# KiCad board panel.kicad_pcb (continued)
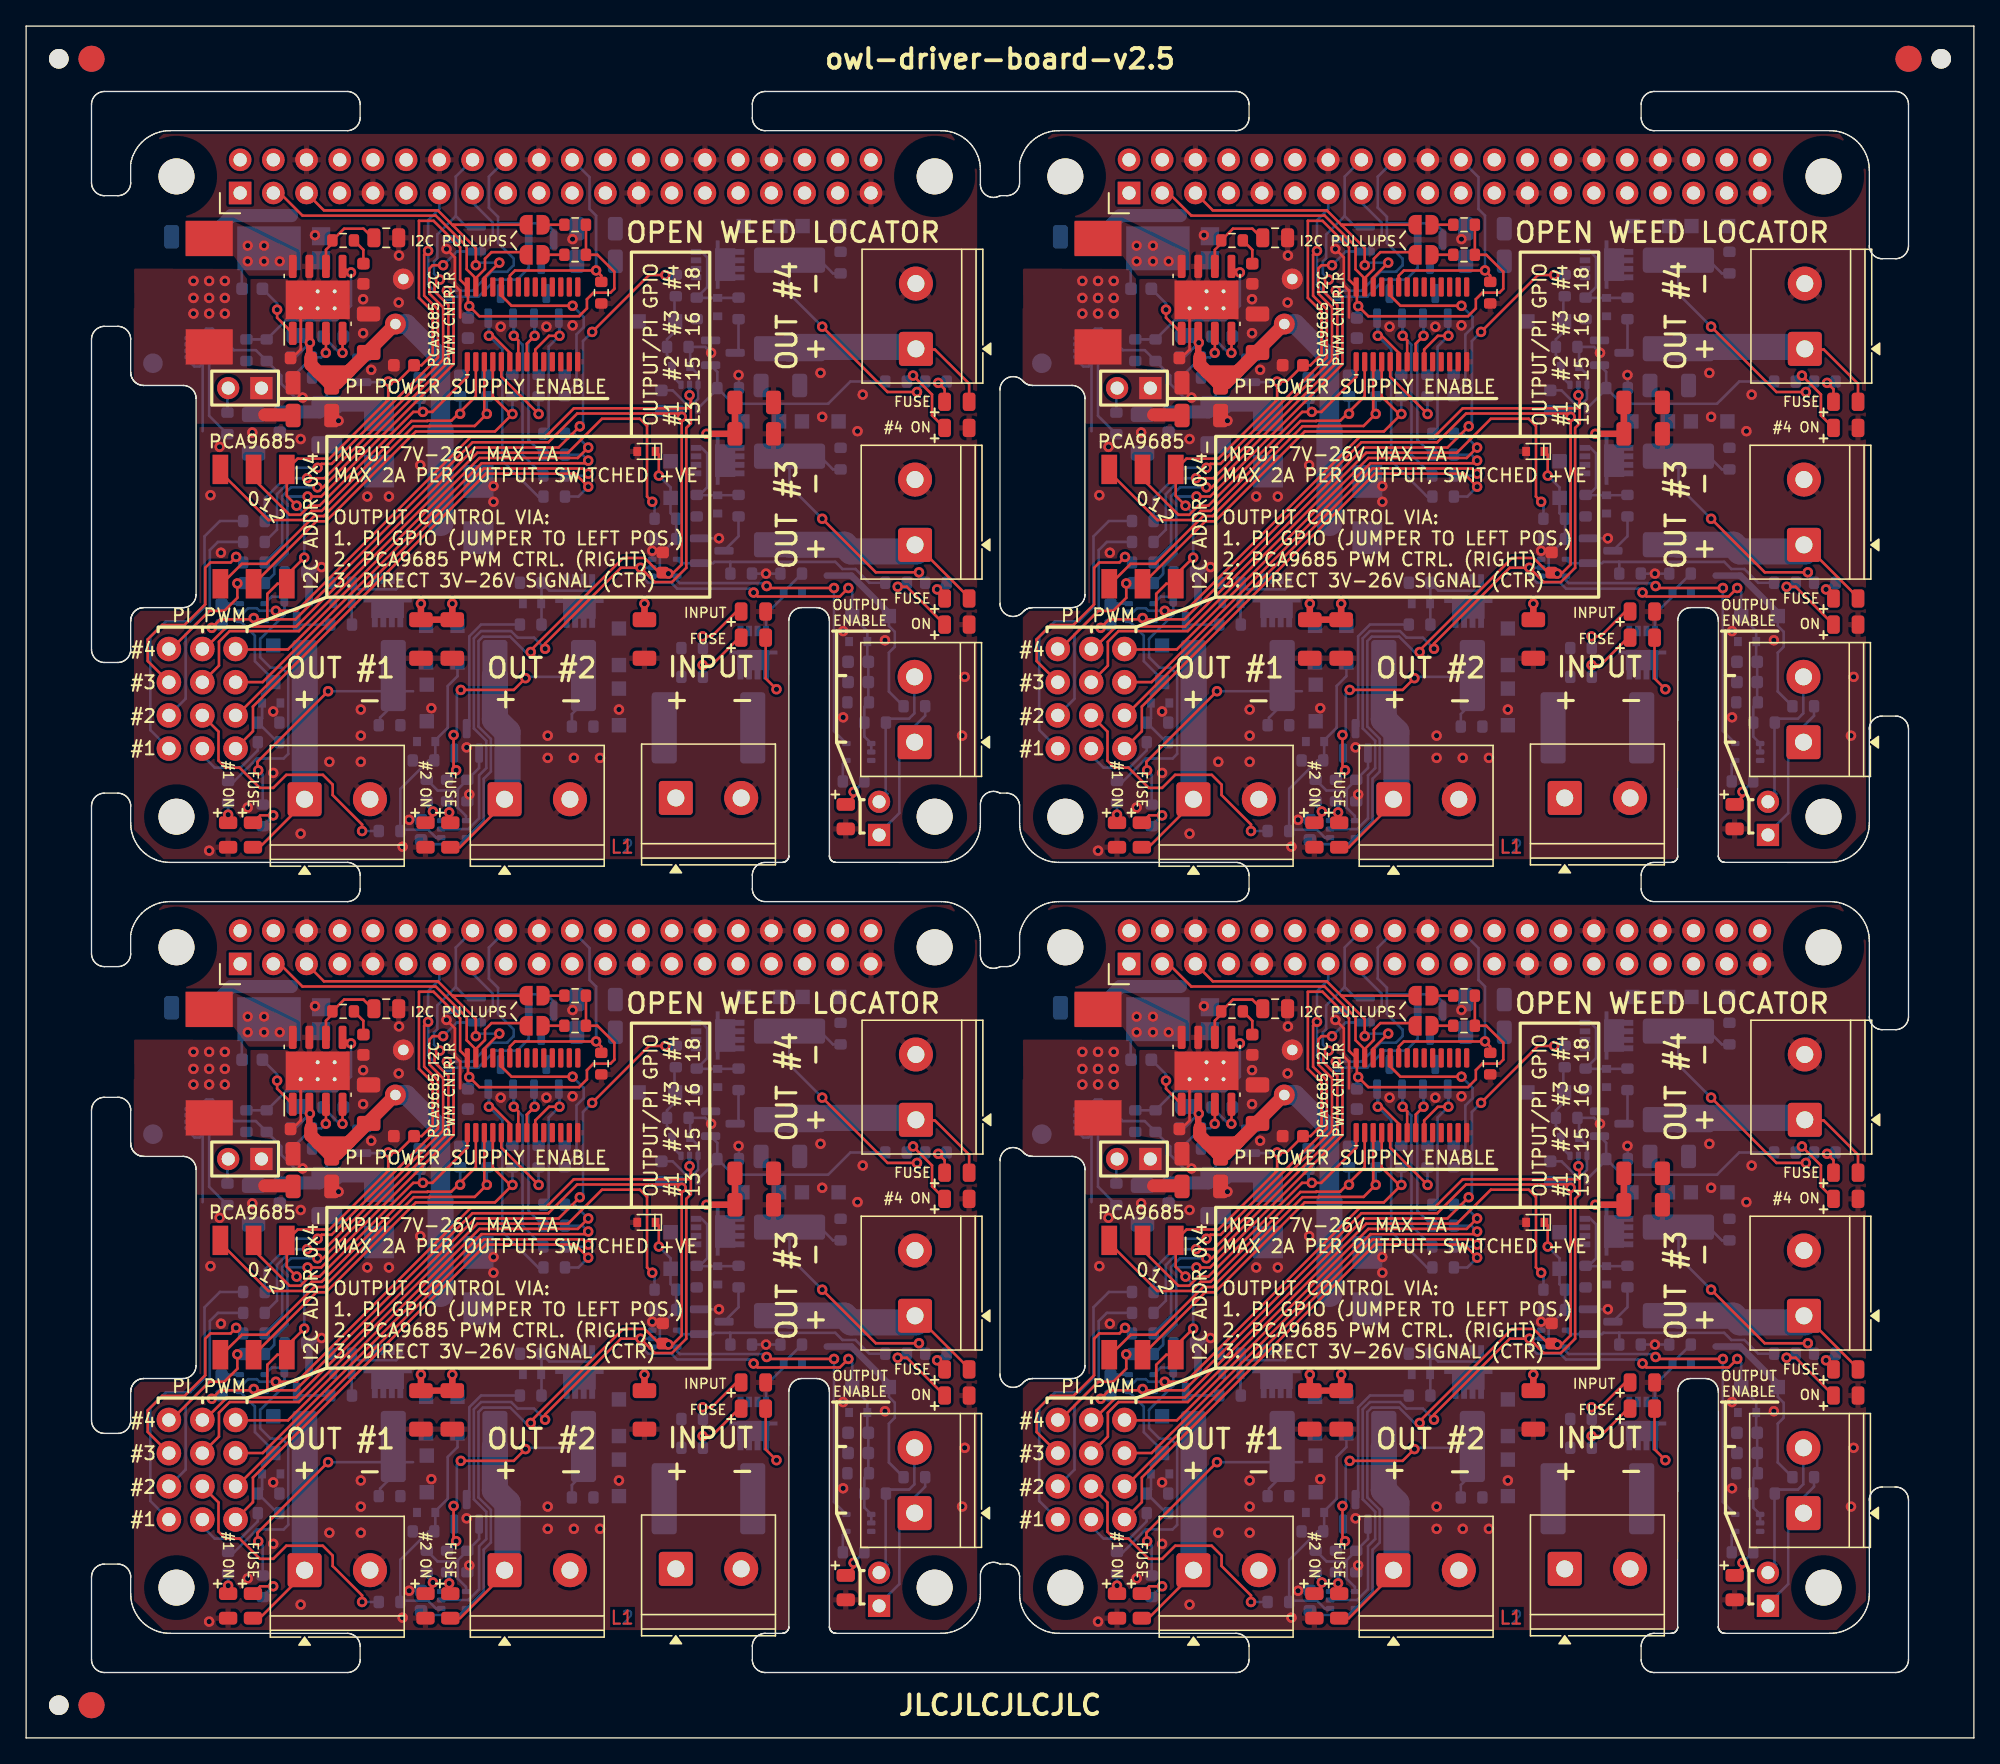
[diagram p0: board, top side]
## Routing (per net, layer and track width the routed paths; a pad name or vN(x,y) marks a point on that pad's centre or on a via; arc(x,y) is an arc through that point) (continued)
  Top w0.2: v1(69.77,44.7) 70.26,44.21 D20.2
Board_2-Net-(D25-A): length 18.9
  Bottom w0.2: D25#4.2 33,22.25 32.25,21.5 32.25,18.3 31.3,17.35 D44#3.1 31.3,15.88 31.22,15.8 ; 31.47,16.2 31.22,15.95 31.22,15.8 ; 31.22,15.8 30.8,15.8 28.62,13.63 R19.1 28.72,10.5 30.75,10.5 31.35,9.9 U4#4.1
Board_2-Net-(D26-A): length 7
  Bottom w0.2: 49.6,50.88 49.6,49.45 D26#4.2 49.65,48.65 49.03,48.03 R50#4.2 49.03,46.83 49.4,46.45 D42#4.1 49.4,45.25 U7.1
Board_2-Net-(D29-A): length 0.9
  Bottom w0.2: R58.1 v1(15.45,11.65)
Board_2-Net-(D30-A): length 5.6
  Top w0.2: v1(66.67,29.09) 67.37,29.09 D30#4.2
  Bottom w0.2: R56#4.1 67.07,29.09 v1(66.67,29.09)
Board_2-Net-(D31-A): length 2.1
  Top w0.2: D31#2.2 31.12,11.61 v1(31.12,11.89)
  Bottom w0.2: v1(31.12,11.89) 30.65,12.36 R57.1
Board_2-Net-(D37-A): length 6
  Top w0.2: 70.01,41 D37#4.2 69.3,42.21 69.3,43.81 v1(67.85,45.26)
  Bottom w0.2: v1(67.85,45.26) 67.84,45.26 R54#3.1
Board_2-Net-(D38-A): length 4.6
  Top w0.2: v1(51.75,25.3) 52.45,25.3 54.35,27.2 D38#3.2
  Bottom w0.2: 51.75,25.45 51.78,25.43 51.78,24.55
Board_2-Net-(D41-A): length 2.4
  Top w0.2: v1(63.3,13.4) 63.3,13.04 D41#3.2
  Bottom w0.2: v1(63.3,13.4) 64.1,14.2 R55.1
Board_2-Net-(J2-GP22): length 37.5
  Top w0.2: v1(31.9,53.7) 31.1,53.7 30.85,53.45 30.85,51.53 31.9,50.48 31.9,46.47 22.83,37.4 v1(21.5,37.4)
  Bottom w0.2: v1(31.9,53.7) 32.95,54.75 D35#4.2 35.7,56.01 35.7,56.95 34.15,58.5 ; v1(21.5,37.4) 20.4,37.4 19.19,36.19 19.19,33.46 R29#3.1
Board_2-Net-(J2-GP23): length 42
  Top w0.2: v1(31.65,52.6) 31.25,52.2 31.25,51.7 32.3,50.64 32.3,46.31 22.7,36.7 v1(22.28,36.7)
  Bottom w0.2: J2.16 32.87,60.49 32.87,57.47 ; v1(22.28,36.7) 20.27,36.7 19.59,36.02 19.59,32.29 R30#3.1 ; 32.87,57.47 33.69,56.65 D35#4.1 ; 32.87,57.47 31.45,56.05 31.45,54.24 31.2,53.99 31.2,53.05 v1(31.65,52.6)
Board_2-Net-(J2-GP24): length 50.5
  Top w0.2: v1(21.53,36) 22.57,36 32.7,46.13 32.7,51.24 v1(32.19,51.76)
  Bottom w0.2: D34#4.2 40.35,56.35 39.8,56.9 36.1,56.9 ; R31#3.1 18.97,30.08 18.97,30.61 19.99,31.62 19.99,35.86 20.13,36 v1(21.53,36) ; J2.18 35.4,60.48 35.4,58.1 36.1,57.4 36.1,56.9 ; 36.1,56.9 36.1,55.4 37.3,54.2 37.3,53.7 36.8,53.2 35.6,53.2 34.16,51.76 v1(32.19,51.76)
Board_2-Net-(J2-GP27): length 46.9
  Top w0.2: v1(30.75,54.8) 30.45,54.5 30.45,51.37 31.5,50.31 31.5,46.64 23.37,38.5 22.6,38.5 v1(22.3,38.2)
  Bottom w0.2: J2.13 31.61,58.01 30.75,57.15 v1(30.75,54.8) 30.75,52.21 31.9,51.06 32.48,51.06 32.72,51.3 34.6,51.3 35.9,52.6 37.57,52.6 38.45,53.49 D34#4.1 ; v1(22.3,38.2) 20.6,38.2 18.25,35.85 R38#2.1
Board_2-Net-(J10-Pin_1): length 11.3
  Bottom w0.2: J11#3.1 65.25,10.23 66.8,11.78 66.8,16.15 67.95,17.3 67.95,18.4 68.78,19.23 68.78,19.95
Board_2-Net-(J10-Pin_2): length 12.6
  Bottom w0.2: 65.78,18.7 65.8,18.7 ; 65.9,13.27 65.4,12.77 65.38,12.77 J11#3.2 65.25,12.77 65.75,13.27 65.75,18.68 66.07,19 67.54,19 67.95,19.41 67.95,22.3
Board_2-Net-(JP7-B): length 1.6
  Top w0.2: R39#3.1 JP7#3.2
Board_2-Net-(JP8-B): length 1.6
  Top w0.2: R40#3.1 JP8.2
Board_2-Net-(Q4-D): length 2.7
  Bottom w0.2: Q4.3 20.96,26.2 23.28,26.2
Board_2-Net-(Q4-G): length 23.4
  Bottom w0.2: 19.76,27.1 19.76,26.96 17.9,25.1 17.9,23.7 18.7,22.9 19.55,22.9 20.05,22.4 20.05,16.3 19.7,15.95 17.65,15.95 15.9,14.2 15.47,14.2 R58.2 ; 19.76,27.1 19.76,26.94 ; 19.76,27.1 19.76,28.33 Q4.1 18.79,28.34 U5#2.4 ; 19.78,30.2 19.78,28.36
Board_2-Net-(Q5-D): length 3.1
  Bottom w0.2: Q5#3.3 54.5,32.96 R7#3.1
Board_2-Net-(Q5-G): length 17.7
  Bottom w0.2: 53.85,31 61.9,31 62.45,30.45 63.45,30.45 64.5,29.4 65.72,29.4 ; 53.85,31 53.88,30.98 53.88,30.1 ; 53.85,31 52.65,31 52.55,30.9 Q5#3.1 50.1,30.9 U6#2.4
Board_2-Net-(Q8-D): length 11.4
  Bottom w0.2: Q8#2.3 33.9,18.44 33.9,25.3 34.8,26.2 37.78,26.2
Board_2-Net-(Q8-G): length 8.8
  Bottom w0.2: 33.03,13.5 31.47,13.5 R57.2 ; 33.03,13.5 33.03,12.18 33.65,11.55 U4#4.4 ; 33.03,13.5 33.03,13.6 R21#4.2 34.65,15.23 Q8#2.1
Board_2-Net-(Q9-D): length 2.7
  Bottom w0.2: Q9#2.3 54.5,47.26 R18#4.1
Board_2-Net-(Q9-G): length 18.3
  Bottom w0.2: R22#3.2 54.07,43.1 61.35,43.1 63.05,44.8 65.72,44.8 ; R22#3.2 52.88,44.23 51.4,42.75 U7.4 ; R22#3.2 52.88,45.54 Q9#2.1
Board_2-Net-(R55-Pad2): length 1.7
  Bottom w0.2: R55.2 62.47,15.53 U8#3.4
Board_2-Net-(U2-A0): length 24.4
  Top w0.2: 17.2,37.55 20.15,34.6 20.98,34.6 21.68,35.3 22.44,35.3 29.62,42.48 v1(30.35,42.48) 31.08,42.48 33.75,45.15 U2.1
  Bottom w0.2: v1(30.35,42.48) 30.1,42.73 R37.2
Board_2-Net-(U2-A1): length 29.2
  Top w0.2: U2.2 34.4,43.68 32.53,41.8 30.71,41.8 30.69,41.78 29.48,41.78 22.6,34.9 21.84,34.9 21.14,34.2 18.53,34.2 14.86,37.88 SW1#3.2
  Bottom w0.2: v1(33.2,42.33) 33.2,42.33 R36.2
Board_2-Net-(U2-A2): length 31.1
  Top w0.2: U2.3 35.05,42.52 v1(35.24,42.33) 34.32,41.4 30.88,41.4 30.86,41.38 29.65,41.38 22.77,34.5 22.04,34.5 18.39,30.85 16.5,30.85 14.97,29.33 SW1#3.4
  Bottom w0.2: v1(35.24,42.33) 35.24,43.62
Board_2-Net-(U2-A3): length 31.2
  Top w0.2: 17.43,29.33 22.21,34.1 22.94,34.1 29.81,40.98 35.87,40.98 v1(37.21,42.32) 37.03,42.32 35.7,43.65 U2.4
  Bottom w0.2: R34.2 37.2,42.32 v1(37.21,42.32)
Board_2-Net-(U2-A4): length 6.5
  Top w0.2: U2.5 36.35,45.17 v1(39.21,42.32)
  Bottom w0.2: R33#3.2 39.2,42.32 v1(39.21,42.32)
Board_2-Net-(U2-A5): length 14.3
  Top w0.2: U2.24 36.35,51.38 37.13,50.6 v1(41.8,50.6)
  Bottom w0.2: R32#4.2 42.1,44.58 42.1,48.4 42.65,48.95 42.65,49.75 v1(41.8,50.6)
Board_2-Net-(U2-LED0): length 18.4
  Top w0.2: v1(35.4,48.3) 35.7,48.3 37,47 U2.6
  Bottom w0.2: v1(35.4,48.3) 36.42,47.28 36.42,38.75 39.17,36 R24#2.1
  Bottom w0.25: v1(35.4,48.3) 35.4,49.61
Board_2-Net-(U2-LED1): length 15.1
  Top w0.2: U2.7 37.65,47.95 v1(37.3,48.3)
  Bottom w0.2: v1(37.3,48.3) 37.97,47.63 37.97,39.2 R25#2.1
  Bottom w0.25: v1(37.3,48.3) 37.3,49.61
Board_2-Net-(U2-LED2): length 13.3
  Top w0.2: U2.8 38.3,47.7 v1(38.9,48.3)
  Bottom w0.2: R26.1 38.42,40.35 38.42,47.83 v1(38.9,48.3)
  Bottom w0.25: 38.9,49.61 v1(38.9,48.3)
Board_2-Net-(U2-LED3): length 12.5
  Top w0.2: v1(40.8,48.3) 40,48.3 38.95,47.25 U2.9
  Bottom w0.2: R27.1 39.97,41.2 39.97,47.48 v1(40.8,48.3)
  Bottom w0.25: v1(40.8,48.3) 40.8,49.61
Board_2-Net-(U3-EN): length 6.3
  Bottom w0.2: 15.4,40.78 14,42.18 U3#4.1
Board_2-OE: length 17.9
  Top w0.2: R28#2.2 44,52.9 v1(43.6,53.3) 37.4,53.3 37,52.9 U2.23
  Bottom w0.2: v1(43.6,53.3) 43.6,57.5 43.1,58 43.1,60.44 J2.22
Board_2-OUT1: length 14.6
  Top w0.2: 17.87,9.16 21.3,12.6
  Bottom w2: 21.3,12.6 21.31,12.61 F2#3.2
Board_2-OUT2: length 15.8
  Top w0.2: 36.62,12.6 33.19,9.16 D19#2.1
  Bottom w2: F4#3.2 35.86,18.94 36.83,17.98 36.83,12.8 36.62,12.6
Board_2-OUT3: length 15.7
  Top w0.2: 68.1,32.3 72.14,28.27 D5#4.1
  Bottom w2: 68.1,31.8 63.1,31.8 62.59,32.31 F3.2
Board_2-OUT4: length 16.3
  Top w0.2: D20.1 72.14,44.63 69.52,47.25 68.1,47.25
  Bottom w2: 68.1,47.25 67.91,47.45 58.54,47.45 F5#3.2
Board_2-PI1: length 23.1
  Bottom w0.2: R38#2.2 14.83,34.13 13.65,32.95 13.65,27.55 12.55,26.45 10.7,26.45 9.5,25.25 9.5,18.13 J1.4
Board_2-PI2: length 16.8
  Bottom w0.2: R29#3.2 14.67,32.53 14.05,31.9 14.05,27.3 12.2,25.45 12.2,20.53 J1.3
Board_2-PI3: length 15.7
  Top w0.2: J1.2 9.3,23.41 9.3,25.07 10.4,26.17 12.12,26.17 13.7,27.75 13.7,30.55 14.1,30.95 15.64,30.95 v1(16.07,31.38)
  Bottom w0.2: R30#3.2 16.17,31.38 v1(16.07,31.38)
Board_2-PI4: length 8.4
  Top w0.2: J1.1 11.1,24.33 14.02,27.25 15.16,27.25 16.16,28.25 v1(16.16,29.35)
  Bottom w0.2: v1(16.16,29.35) 16.19,29.38 R31#3.2
Board_2-VCC: length 58.6
  Top w0.5: v1(32.6,27.8) 32.6,26.58 30.2,26.58 v1(30.2,27.8) ; v1(52.05,40.8) C16#2.1 C15#3.1 ; 47.3,26.58 v1(47.3,27.8) ; U1#4.2 21.67,46.71
  Top w1: C5#2.1 26.2,47.15 C8.1 ; C6.1 21.78,46.1 22.34,45.54 ; 22.34,45.54 24.64,45.54 24.75,45.65 ; 22.34,45.54 23.17,44.7 C18#3.1 23.8,44.7 24.75,45.65 ; 26.12,47.03 24.75,45.65
  Bottom w0.2: R41#3.2 20.58,46.65 v1(21.71,47.77) ; 66.45,26.4 D40#4.1 66,26.1 66.45,25.65 66.45,24.5 66,24.05 66,21.08 R48#2.1
  Bottom w0.5: 21.2,48.28 v1(21.71,47.77) ; 61.25,29.95 63.13,29.95 66,27.08 D40#4.1
  Bottom w1.5: C8.1 29.1,49.2 31.7,46.6 31.7,41.2
  Bottom w2: 31.7,41.1 31.7,33.98
Board_3-+3V3: length 194.7
  Top w0.2: R40.2 R39#4.2 111.7,54.5 113,53.2 113,51.9 112.7,51.6 111.4,51.6 110.9,51.1 110.9,50.4 110.3,49.8 102.67,49.8 v1(101.9,50.57) 101.8,50.67 101.8,51.99 ; 87.1,26.6 86.5,26.6 86.45,26.65 86.45,28.55 87.22,29.33 SW1.C ; 87.1,26.6 85.51,26.6 v1(85.41,26.7) 85.31,26.6 82.85,26.6 v1(82.2,25.95) ; 87.1,26.6 88.6,26.6 102.15,40.15 107.95,40.15 110.15,42.35 117.9,42.35 v1(118.15,42.1) 118.15,30.8 117.53,30.18 C27#2.1 ; v1(129.8,29) 124.8,29 v1(124.65,29.15) ; 95.77,44.87 v1(95.7,44.8) ; v1(95.7,44.8) 96.43,44.8 C30.1 98.25,46.05 99.1,46.9 99.1,50.15 98.05,51.2 98.05,57.1 99.17,57.1 101.2,55.07 101.2,52.59 U2#2.28 ; v1(95.7,44.8) 95.7,43.4 91.2,38.9 88.76,38.9 SW1.C 87.94,36.05 v1(88.69,35.3) ; C27#2.1 116.44,30.18 115.31,31.3 113.68,31.3 106.6,24.23 v1(106.6,24.1) ; C27#2.1 116.78,30.1 v1(117.13,30.1) ; 87.74,29.79 v1(89.28,31.33)
  Bottom w0.2: 86.35,26.5 U5#3.5 85.61,26.5 v1(85.41,26.7) ; v1(124.65,29.15) 124.43,29.38 118,29.38 117.8,29.58 U6#4.5 117.33,29.9 v1(117.13,30.1) ; 118.15,42.05 118.1,42.1 ; 118.1,42.1 v1(118.15,42.1) 117.67,42.58 116.6,42.58 ; 118.1,42.1 U7#2.5 ; v1(106.6,24.1) 106.21,24.1 105.03,25.28 102.94,25.28 102.6,24.94 102.6,18.4 103.55,17.45 103.55,14.95 103,14.4 103,11.2 101.7,9.9 U4#2.5 101.15,9.4 98.53,9.4 C28.1 ; C7.1 101.8,50.47 v1(101.9,50.57) ; v1(95.7,44.8) 95.65,44.75 U9#4.2 ; v1(88.69,35.3) 89.28,34.71 v1(89.28,31.33) ; v1(129.8,29) 129.8,18.05 U8#4.5
Board_3-+5V: length 12.1
  Top w1: C14.1 88.38,42.25 86.25,42.25
  Bottom w0.2: C13#2.1 91,44.9 U9#4.3
  Bottom w1: 94.07,43 91.04,43 C13#2.1 90.44,42.48 C9#2.1
  vias: v1(80.8,52.5) v1(80.8,51.2) v1(80.8,50) v1(82,52.5) v1(82,51.2) v1(82,50) v1(83.2,52.5) v1(83.2,51.2) v1(83.2,50)
Board_3-/BOOT: length 4.4
  Top w0.2: v1(87.2,50.3) 87.2,49.68 U1.1
  Bottom w0.2: C17.1 87.2,50.78 v1(87.2,50.3)
Board_3-/COMP: length 6.1
  Top w0.2: 94.51,55.8 93.81,56.5 92.32,56.5 R44#2.1 ; U1.6 90.94,54.89 91.4,55.35 91.4,55.78
Board_3-/EN: length 5.2
  Top w0.2: U1.3 90.94,46.71
  Bottom w0.2: v1(90.93,47) 90.57,46.65 R41.1 88.32,45.1
Board_3-/M1_D: length 19.4
  Top w0.2: v1(85.76,15.04) 85.7,15.1 85.7,15.7 v1(91.1,21.1)
  Bottom w0.2: R62#4.2 95.07,18.6 95.07,19.08 95.9,19.9 ; v1(85.76,15.04) 86.1,14.7 R4#3.2 ; v1(91.1,21.1) 97.6,21.1
Board_3-/M1_G: length 7.4
  Bottom w0.2: R2#2.1 93.43,28.9 96.3,28.9 96.62,29.23 96.62,29.45 ; 92.9,26.1 92.9,27.68 ; 92.93,27.7 92.93,29.3
Board_3-/M2_D: length 18.8
  Top w0.2: v1(101.25,21.2) 105.3,21.2 v1(106.2,22.1) ; v1(100.7,17.75) 100.7,15.25 v1(100.89,15.05)
  Bottom w0.2: 110.54,22.2 106.3,22.2 v1(106.2,22.1) ; R15.2 100.2,14.36 v1(100.89,15.05) ; 110.2,19.8 109.75,19.35 R61#3.2 ; v1(101.25,21.2) 100.95,20.9 100.95,18 v1(100.7,17.75)
Board_3-/M2_G: length 8
  Bottom w0.2: R17#4.2 107.43,27.78 ; 107.43,27.83 R13#3.1 108.03,28.8 111.1,28.8 111.32,29.03 111.32,29.65
Board_3-/M3_D: length 16.5
  Top w0.2: v1(136.3,30.2) 133,30.2 v1(128.9,34.3)
  Bottom w0.2: 129,38.8 129.72,38.08 R60#4.2 ; v1(128.9,34.3) 126.4,36.8 F3#4.1
Board_3-/M3_G: length 7.6
  Bottom w0.2: 119.53,36.13 120.1,36.7 120.1,39.3 119.68,39.73 119.25,39.73 ; 122.47,36.1 D3#2.2 119.32,36.1
Board_3-/M4_D: length 18.1
  Top w0.2: v1(136.15,44) 133.9,44 v1(128.9,49)
  Bottom w0.2: v1(128.9,49) 126.39,51.51 126.39,54.07 ; v1(136.15,44) 136.15,44.18 R16#3.1 ; R59.2 129.72,53.08 129,53.8
Board_3-/M4_G: length 7.6
  Bottom w0.2: 119.3,51.23 120.1,52.03 120.1,54.3 119.68,54.73 119.25,54.73 ; 119.32,51.2 D18.2 122.47,51.2
Board_3-/PI_5V0_P: length 1.9
  Bottom w0.2: J9#4.2 83.4,44.24 R46#4.2
Board_3-/SS: length 3.5
  Top w0.2: v1(92.2,47) 92.21,47.01 U1.4
  Bottom w0.2: C24#4.1 91.98,47 v1(92.2,47)
Board_3-/SW: length 2.1
  Bottom w0.2: 84.5,52.18 84.5,54.3
  vias: v1(84.95,55.2) v1(84.95,54) v1(86.2,55.2) v1(86.2,54) v1(87.4,54)
Board_3-/VSENSE: length 12.5
  Top w0.2: v1(92.85,53.15) 92.67,53.15 U1.5
  Bottom w0.2: R42#4.1 R45#4.2 87.88,49.5 91.75,49.5 92.85,50.6 v1(92.85,53.15)
Board_3-ENABLE: length 126.5
  Top w0.2: v1(87.1,27.26) 88.71,27.26 102,40.55 107.7,40.55 109.9,42.75 118.8,42.75 118.85,42.8 118.85,43.65 ; 118.85,43.65 118.85,41.6 118.5,41.25 118.5,30.55 117.4,29.45 116.1,29.45 v1(115,30.55) 113.5,30.55 107.7,24.75 v1(107.7,24.35) ; 118.85,43.65 v1(118.75,43.75) ; v1(123.65,28.65) 123.95,28.35 130.25,28.35 v1(130.9,29)
  Bottom w0.2: U7#2.2 v1(118.75,43.75) ; v1(107.7,24.35) 106.85,25.2 105.6,25.2 105.1,25.7 102.8,25.7 102.25,25.15 102.25,18.26 103.2,17.31 103.2,15.22 102.65,14.67 102.65,11.38 101.82,10.55 U4#2.2 ; v1(123.65,28.65) 123.35,28.95 117.8,28.95 117.35,29.4 115.58,29.4 115,29.98 v1(115,30.55) U6#4.2 ; U5#3.2 84.67,27.15 84.97,27.45 85.65,27.45 85.84,27.26 v1(87.1,27.26) ; U8#4.2 U8#4.1 132.12,17.63 R49.2 132.12,19.9 R47#3.1 132.43,20.3 C21#3.1 C25.1 132.35,23.43 D39#2.1 132.35,25.7 D40#3.2 131.2,28.7 v1(130.9,29)
Board_3-GND: length 58.5
  Top w0.2: 101.2,49.7 101.2,51.76 100.8,52.16 100.8,54.3 v1(100.16,54.94) ; U1.9 89,47.25 88.65,46.9
  Bottom w0.2: R21.1 101.75,13.05 v1(101.9,13.2) ; 83.3,27.65 83.45,27.8 U5#3.3 ; v1(89.15,43.57) 88.57,43.57 87.53,44.62 87.53,45.25 R45#4.1 85.57,47.2 83.9,47.2 82.25,48.85 81.78,48.85 81.53,48.6 U3.9 U3.8 ; U6#4.3 v1(115.9,31.85) 115.9,32.58 R51#2.1 ; Q5#4.2 v1(121,32.8) ; Q9.2 120.36,47.04 v1(120.4,47) 119.95,47.45 118.68,47.45 118.8,47.33 D42#3.2 119.4,45.35 U7#2.3 119.4,43.47 119.03,43.1 118.48,43.1 117.46,44.13 C26#2.2 ; C28.2 97.32,11.28 v1(97.3,11.26) ; 81.5,41 81.5,46.48 U3.2 81.53,46.2 81.27,45.95 80.88,45.95 80.6,46.23 U3.4 ; v1(122.5,45.3) 122.53,45.28 R22#4.1 ; R8#4.1 v1(124.6,30.1) R12#3.1
  Bottom w0.5: 89.65,29.98 Q4#4.2 89.65,30.05 90.2,30.6 v1(90.6,30.6)
  Bottom w1: 88.3,57.5 83.67,57.5 83.5,57.33 83.5,57.3 C10.2
  vias: v1(82,8.9) v1(82.1,36.1) v1(82.8,39.8) v1(82.9,31.7) v1(84.95,12.2) v1(85.3,40.9) v1(86.9,19.55) v1(86.9,14.85) v1(89,40.4) v1(89,10.2) v1(90.1,56) v1(91.2,15.7) v1(91.9,41.8) v1(93.6,19.7) v1(93.6,17.7) v1(93.6,15.7) v1(93.78,51.1) v1(93.78,48.5) v1(94.1,36) v1(94.4,45.7) v1(95.75,36) v1(96.52,54.45) v1(96.5,50.85) v1(96.8,9.2) v1(98.15,38.4) v1(99,19.8) v1(101.7,16.8) v1(103.75,36.8) v1(103.75,35.6) v1(104.3,49) v1(107.8,49) v1(107.9,17.7) v1(107.9,16) v1(109.8,55.7) v1(109.8,49.1) v1(109.9,16) v1(111.9,16) v1(113.35,19.7) v1(128.77,45.46) v1(128.9,42.1) v1(130.5,25.7) v1(130.5,19.1) v1(131.6,41) v1(132,43.8) v1(133.7,25) v1(139.6,17.7) v1(139.8,22.2)
Board_3-I2C_SCL: length 25.8
  Top w0.2: JP8#4.1 100.7,56.8 100.65,56.75 ; U2#2.26 103.05,52.75 v1(104.2,53.9) ; J2#4.5 90.78,57.9 99.5,57.9 100.65,56.75 ; 100.65,56.75 102.4,55 v1(102.4,53.7)
  Bottom w0.2: v1(104.2,53.9) 102.6,53.9 v1(102.4,53.7)
Board_3-I2C_SDA: length 25
  Top w0.2: 106.05,54.7 103.6,54.7 103.1,54.2 103.1,53.41 102.4,52.71 U2#2.27 102.4,52.69 101.7,53.39 101.7,55.14 99.34,57.5 89.14,57.5 87.41,59.23
Board_3-INPUT1: length 39.3
  Top w0.2: J6.1 85.35,18.04 85.35,19.93 103.17,37.75 110,37.75 v1(111,36.75)
  Bottom w0.2: R24#4.2 110.25,36 v1(111,36.75)
Board_3-INPUT2: length 36.7
  Top w0.2: v1(111,37.75) 110.6,38.15 103.01,38.15 84.11,19.25
  Bottom w0.2: R25#3.2 110.85,37.6 v1(111,37.75)
Board_3-INPUT3: length 36
  Top w0.2: 84.03,21.8 86.09,21.8 102.84,38.55 110.8,38.55 v1(111,38.75)
  Bottom w0.2: R26#3.2 110.55,39.2 v1(111,38.75)
Board_3-INPUT4: length 35.6
  Top w0.2: v1(111,39.75) 110.2,38.95 102.68,38.95 88.03,24.3 84.05,24.3
  Bottom w0.2: v1(111,39.75) 109.95,40.8 R27#4.2
Board_3-MOSFET1: length 5.8
  Bottom w0.2: 81.48,16.2 82.43,15.25 84.4,15.25 85.72,16.58 85.72,17.2
Board_3-MOSFET2: length 20.1
  Top w0.2: v1(93.7,10.4) 93.7,10.9 91.45,13.15 91.45,13.95 90.7,14.7 87.9,14.7 86.9,13.7 85.88,13.7 84.33,15.25 83.25,15.25 82.72,15.78 82.72,18.01 J6.4
  Bottom w0.2: v1(93.7,10.4) R19#2.2
Board_3-MOSFET3: length 51
  Top w0.2: v1(115.9,35.6) 115.5,36 115.5,41.4 114.95,41.95 112.05,41.95 109.45,39.35 102.52,39.35 88.86,25.7 83.56,25.7 82.75,24.89 82.75,23.06 J6.6
  Bottom w0.2: v1(115.9,35.6) 116.07,35.43 R10#3.2
Board_3-MOSFET4: length 51.8
  Top w0.2: v1(116.9,52.95) 115.65,52.95 v1(111.3,48.6) ; v1(110.35,41.37) 108.73,39.75 102.35,39.75 88.65,26.05 83.36,26.05 81.64,24.33 J6.8
  Bottom w0.2: v1(111.3,48.6) 110.6,47.9 110.6,41.62 v1(110.35,41.37) ; R20#3.2 117.68,52.95 v1(116.9,52.95)
Board_3-Net-(C23-Pad1): length 2.1
  Top w0.2: C23.1 93.8,54.88 R44#2.2
Board_3-Net-(D1-A): length 4.7
  Top w0.2: D1#4.2 122.55,25.2 120.45,23.1 v1(119.75,23.1)
  Bottom w0.2: v1(119.75,23.1) 119.78,23.08 119.78,22.2
Board_3-Net-(D1-K): length 4.3
  Top w0.2: v1(125.4,21.25) 124.57,22.08 D1#4.1
Board_3-Net-(D4-A): length 2.8
  Top w0.2: v1(86.9,11.6) 85.91,11.6 D4#4.2
  Bottom w0.2: 86.2,10.9 v1(86.9,11.6)
Board_3-Net-(D5-A): length 1.9
  Top w0.2: D5#3.2 137.69,28.77 v1(137.69,28.89)
  Bottom w0.2: v1(137.69,28.89) 138.2,29.4 R5#3.1
Board_3-Net-(D6-A): length 5.5
  Bottom w0.2: Q1#3.1 124.6,27 125.95,28.35 D6#2.2 125.95,28.7 R8#4.2
Board_3-Net-(D12-A): length 11.6
  Bottom w0.2: U5#3.1 85.5,25.35 85.5,23.4 86.9,22 D12.2 86.9,21.7 86.05,20.85 D45#4.1 86.05,19.03 85.72,18.7 87.22,17.2 R9.1
Board_3-Net-(D13-A): length 11.1
  Top w0.2: v1(116.4,37.6) 116.4,39.2 D43#4.1
  Bottom w0.2: U6#4.1 116.22,29.9 116.47,30.15 116.47,31.5 R51#2.2 R10#3.1 117.3,34.73 D13.2 117.3,36.7 v1(116.4,37.6)
Board_3-Net-(D19-A): length 1.4
  Top w0.2: 100.4,11.34 100.4,11.79 v1(100.36,11.83)
  Bottom w0.2: v1(100.36,11.83) 100.4,11.87 100.4,12.73
Board_3-Net-(D20-A): length 1.7
  Top w0.2: v1(137.77,44.7) 138.26,44.21 D20#2.2
Board_3-Net-(D25-A): length 18.9
  Bottom w0.2: U4#2.1 99.35,9.9 98.75,10.5 96.72,10.5 R19#2.1 96.62,13.63 98.8,15.8 R52#2.2 ; R52#2.2 99.22,15.95 99.47,16.2 ; R52#2.2 99.3,15.88 D44#4.1 99.3,17.35 100.25,18.3 100.25,21.5 101,22.25 D25#2.2
Board_3-Net-(D26-A): length 7
  Bottom w0.2: U7#2.1 117.4,45.25 D42#3.1 117.4,46.45 117.03,46.83 R50#3.2 117.03,48.03 117.65,48.65 D26#3.2 117.6,49.45 117.6,50.88
Board_3-Net-(D29-A): length 0.9
  Bottom w0.2: R58#2.1 v1(83.45,11.65)
Board_3-Net-(D30-A): length 5.6
  Top w0.2: D30#2.2 135.37,29.09 v1(134.67,29.09)
  Bottom w0.2: R56.1 135.07,29.09 v1(134.67,29.09)
Board_3-Net-(D31-A): length 2.1
  Top w0.2: D31.2 99.12,11.61 v1(99.12,11.89)
  Bottom w0.2: v1(99.12,11.89) 98.65,12.36 R57#3.1
Board_3-Net-(D37-A): length 6
  Top w0.2: v1(135.85,45.26) 137.3,43.81 137.3,42.21 D37#2.2 138.01,41
  Bottom w0.2: R54#2.1 135.84,45.26 v1(135.85,45.26)
Board_3-Net-(D38-A): length 4.6
  Top w0.2: D38#4.2 122.35,27.2 120.45,25.3 v1(119.75,25.3)
  Bottom w0.2: 119.78,24.55 119.78,25.43 119.75,25.45
Board_3-Net-(D41-A): length 2.4
  Top w0.2: D41.2 131.3,13.04 v1(131.3,13.4)
  Bottom w0.2: R55#4.1 132.1,14.2 v1(131.3,13.4)
Board_3-Net-(J2-GP22): length 37.5
  Top w0.2: v1(89.5,37.4) 90.83,37.4 99.9,46.47 99.9,50.48 98.85,51.53 98.85,53.45 99.1,53.7 v1(99.9,53.7)
  Bottom w0.2: R29#2.1 87.19,33.46 87.19,36.19 88.4,37.4 v1(89.5,37.4) ; v1(99.9,53.7) 100.95,54.75 D35#3.2 103.7,56.01 103.7,56.95 102.15,58.5
Board_3-Net-(J2-GP23): length 42
  Top w0.2: v1(99.65,52.6) 99.25,52.2 99.25,51.7 100.3,50.64 100.3,46.31 90.7,36.7 v1(90.28,36.7)
  Bottom w0.2: R30#4.1 87.59,32.29 87.59,36.02 88.27,36.7 v1(90.28,36.7) ; v1(99.65,52.6) 99.2,53.05 99.2,53.99 99.45,54.24 99.45,56.05 100.87,57.47 ; D35#3.1 101.69,56.65 100.87,57.47 ; 100.87,57.47 100.87,60.49 J2#4.16
Board_3-Net-(J2-GP24): length 50.5
  Top w0.2: v1(89.53,36) 90.57,36 100.7,46.13 100.7,51.24 v1(100.19,51.76)
  Bottom w0.2: J2#4.18 103.4,60.48 103.4,58.1 104.1,57.4 104.1,56.9 ; v1(100.19,51.76) 102.16,51.76 103.6,53.2 104.8,53.2 105.3,53.7 105.3,54.2 104.1,55.4 104.1,56.9 ; v1(89.53,36) 88.13,36 87.99,35.86 87.99,31.62 86.97,30.61 86.97,30.08 86.28,29.38 ; 104.1,56.9 107.8,56.9 108.35,56.35 D34#3.2
Board_3-Net-(J2-GP27): length 46.9
  Top w0.2: v1(98.75,54.8) 98.45,54.5 98.45,51.37 99.5,50.31 99.5,46.64 91.37,38.5 90.6,38.5 v1(90.3,38.2)
  Bottom w0.2: D34#3.1 106.45,53.49 105.57,52.6 103.9,52.6 102.6,51.3 100.72,51.3 100.48,51.06 99.9,51.06 98.75,52.21 v1(98.75,54.8) 98.75,57.15 99.61,58.01 J2#4.13 ; R38.1 86.25,35.85 88.6,38.2 v1(90.3,38.2)
Board_3-Net-(J10-Pin_1): length 11.3
  Bottom w0.2: 136.78,19.95 136.78,19.23 135.95,18.4 135.95,17.3 134.8,16.15 134.8,11.78 133.25,10.23 J11#4.1
Board_3-Net-(J10-Pin_2): length 12.6
  Bottom w0.2: 133.9,13.27 133.4,12.77 133.38,12.77 J11#4.2 133.25,12.77 133.75,13.27 133.75,18.68 134.07,19 135.54,19 135.95,19.41 135.95,22.3 ; 133.78,18.7 133.8,18.7
Board_3-Net-(JP7-B): length 1.6
  Top w0.2: R39#4.1 JP7#4.2
Board_3-Net-(JP8-B): length 1.6
  Top w0.2: R40.1 JP8#4.2
Board_3-Net-(Q4-D): length 2.7
  Bottom w0.2: R6.1 88.96,26.2 Q4#4.3
Board_3-Net-(Q4-G): length 23.4
  Bottom w0.2: 87.76,27.1 87.76,28.33 Q4#4.1 86.79,28.34 U5#3.4 ; 87.76,27.1 87.76,26.96 85.9,25.1 85.9,23.7 86.7,22.9 87.55,22.9 88.05,22.4 88.05,16.3 87.7,15.95 85.65,15.95 83.9,14.2 83.47,14.2 R58#2.2 ; 87.76,27.1 87.76,26.94 ; R11.2 87.78,28.36
Board_3-Net-(Q5-D): length 3.1
  Bottom w0.2: R7#4.1 122.5,32.96 Q5#4.3
Board_3-Net-(Q5-G): length 17.7
  Bottom w0.2: 121.85,31 121.88,30.98 R12#3.2 ; 121.85,31 129.9,31 130.45,30.45 131.45,30.45 132.5,29.4 133.72,29.4 ; 121.85,31 120.65,31 120.55,30.9 Q5#4.1 118.1,30.9 U6#4.4
Board_3-Net-(Q8-D): length 11.4
  Bottom w0.2: R17#4.1 102.8,26.2 101.9,25.3 101.9,18.44 Q8.3
Board_3-Net-(Q8-G): length 8.8
  Bottom w0.2: U4#2.4 101.65,11.55 101.03,12.18 101.03,13.5 ; 101.03,13.5 99.47,13.5 R57#3.2 ; 101.03,13.5 101.03,13.6 R21.2 102.65,15.23 Q8.1
Board_3-Net-(Q9-D): length 2.7
  Bottom w0.2: Q9.3 122.5,47.26 R18.1
Board_3-Net-(Q9-G): length 18.3
  Bottom w0.2: 133.72,44.8 131.05,44.8 129.35,43.1 122.07,43.1 R22#4.2 ; Q9.1 120.88,45.54 R22#4.2 ; R22#4.2 120.88,44.23 119.4,42.75 U7#2.4
Board_3-Net-(R55-Pad2): length 1.7
  Bottom w0.2: U8#4.4 130.47,15.53 R55#4.2
Board_3-Net-(U2-A0): length 24.4
  Top w0.2: 85.2,37.55 88.15,34.6 88.98,34.6 89.68,35.3 90.44,35.3 97.62,42.48 v1(98.35,42.48) 99.08,42.48 101.75,45.15 U2#2.1
  Bottom w0.2: v1(98.35,42.48) 98.1,42.73 R37#2.2
Board_3-Net-(U2-A1): length 29.2
  Top w0.2: SW1.2 82.86,37.88 86.53,34.2 89.14,34.2 89.84,34.9 90.6,34.9 97.48,41.78 98.69,41.78 98.71,41.8 100.53,41.8 102.4,43.68 U2#2.2
  Bottom w0.2: v1(101.2,42.33) 101.2,42.33 R36#3.2
Board_3-Net-(U2-A2): length 31.1
  Top w0.2: U2#2.3 103.05,42.52 v1(103.24,42.33) 102.32,41.4 98.88,41.4 98.86,41.38 97.65,41.38 90.77,34.5 90.04,34.5 86.39,30.85 84.5,30.85 82.97,29.33 SW1.4
  Bottom w0.2: v1(103.24,42.33) 103.24,43.62
Board_3-Net-(U2-A3): length 31.2
  Top w0.2: 85.43,29.33 90.21,34.1 90.94,34.1 97.81,40.98 103.87,40.98 v1(105.21,42.32) 105.03,42.32 103.7,43.65 U2#2.4
  Bottom w0.2: v1(105.21,42.32) 105.2,42.32 R34#2.2
Board_3-Net-(U2-A4): length 6.5
  Top w0.2: v1(107.21,42.32) 104.35,45.17 U2#2.5
  Bottom w0.2: R33#2.2 107.2,42.32 v1(107.21,42.32)
Board_3-Net-(U2-A5): length 14.3
  Top w0.2: v1(109.8,50.6) 105.13,50.6 104.35,51.38 U2#2.24
  Bottom w0.2: R32.2 110.1,44.58 110.1,48.4 110.65,48.95 110.65,49.75 v1(109.8,50.6)
Board_3-Net-(U2-LED0): length 18.4
  Top w0.2: v1(103.4,48.3) 103.7,48.3 105,47 U2#2.6
  Bottom w0.2: R24#4.1 107.18,36 104.43,38.75 104.43,47.28 v1(103.4,48.3)
  Bottom w0.25: v1(103.4,48.3) 103.4,49.61
Board_3-Net-(U2-LED1): length 15.1
  Top w0.2: U2#2.7 105.65,47.95 v1(105.3,48.3)
  Bottom w0.2: v1(105.3,48.3) 105.97,47.63 105.97,39.2 R25#3.1
  Bottom w0.25: v1(105.3,48.3) 105.3,49.61
Board_3-Net-(U2-LED2): length 13.3
  Top w0.2: v1(106.9,48.3) 106.3,47.7 U2#2.8
  Bottom w0.2: R26#3.1 106.43,40.35 106.43,47.83 v1(106.9,48.3)
  Bottom w0.25: 106.9,49.61 v1(106.9,48.3)
Board_3-Net-(U2-LED3): length 12.5
  Top w0.2: U2#2.9 106.95,47.25 108,48.3 v1(108.8,48.3)
  Bottom w0.2: v1(108.8,48.3) 107.97,47.48 107.97,41.2 R27#4.1
  Bottom w0.25: v1(108.8,48.3) 108.8,49.61
Board_3-Net-(U3-EN): length 6.3
  Bottom w0.2: 83.4,40.78 82,42.18 U3.1
Board_3-OE: length 17.9
  Top w0.2: R28.2 112,52.9 v1(111.6,53.3) 105.4,53.3 105,52.9 U2#2.23
  Bottom w0.2: J2#4.22 111.1,60.44 111.1,58 111.6,57.5 v1(111.6,53.3)
Board_3-OUT1: length 14.6
  Top w0.2: 85.87,9.16 89.3,12.6
  Bottom w2: 89.3,12.6 89.31,12.61 F2.2
Board_3-OUT2: length 15.8
  Top w0.2: 104.62,12.6 101.19,9.16 D19#4.1
  Bottom w2: 104.62,12.6 104.82,12.8 104.82,17.98 103.86,18.94 F4#4.2
Board_3-OUT3: length 15.7
  Top w0.2: D5#3.1 140.14,28.27 136.1,32.3
  Bottom w2: F3#4.2 130.59,32.31 131.1,31.8 136.1,31.8
Board_3-OUT4: length 16.3
  Top w0.2: D20#2.1 140.14,44.63 137.52,47.25 136.1,47.25
  Bottom w2: F5#4.2 126.54,47.45 135.91,47.45 136.1,47.25
Board_3-PI1: length 23.1
  Bottom w0.2: J1#2.4 77.5,18.13 77.5,25.25 78.7,26.45 80.55,26.45 81.65,27.55 81.65,32.95 82.82,34.13 R38.2
Board_3-PI2: length 16.8
  Bottom w0.2: R29#2.2 82.68,32.53 82.05,31.9 82.05,27.3 80.2,25.45 80.2,20.53 J1#2.3
Board_3-PI3: length 15.7
  Top w0.2: J1#2.2 77.3,23.41 77.3,25.07 78.4,26.17 80.12,26.17 81.7,27.75 81.7,30.55 82.1,30.95 83.64,30.95 v1(84.07,31.38)
  Bottom w0.2: R30#4.2 84.17,31.38 v1(84.07,31.38)
Board_3-PI4: length 8.4
  Top w0.2: J1#2.1 79.1,24.33 82.02,27.25 83.16,27.25 84.16,28.25 v1(84.16,29.35)
  Bottom w0.2: v1(84.16,29.35) 84.19,29.38 R31#4.2
